# Altium PCB carboard.PcbDoc (part 4 of 4)
Units mil, origin at the board's own origin, x right, y up, seen from the top; angles counter-clockwise.
Board outline 5606.45 x 4133.26 mil, 2 copper layers (Top Layer, Bottom Layer); 227 components, 0 nets, 640 pads, 77 vias.
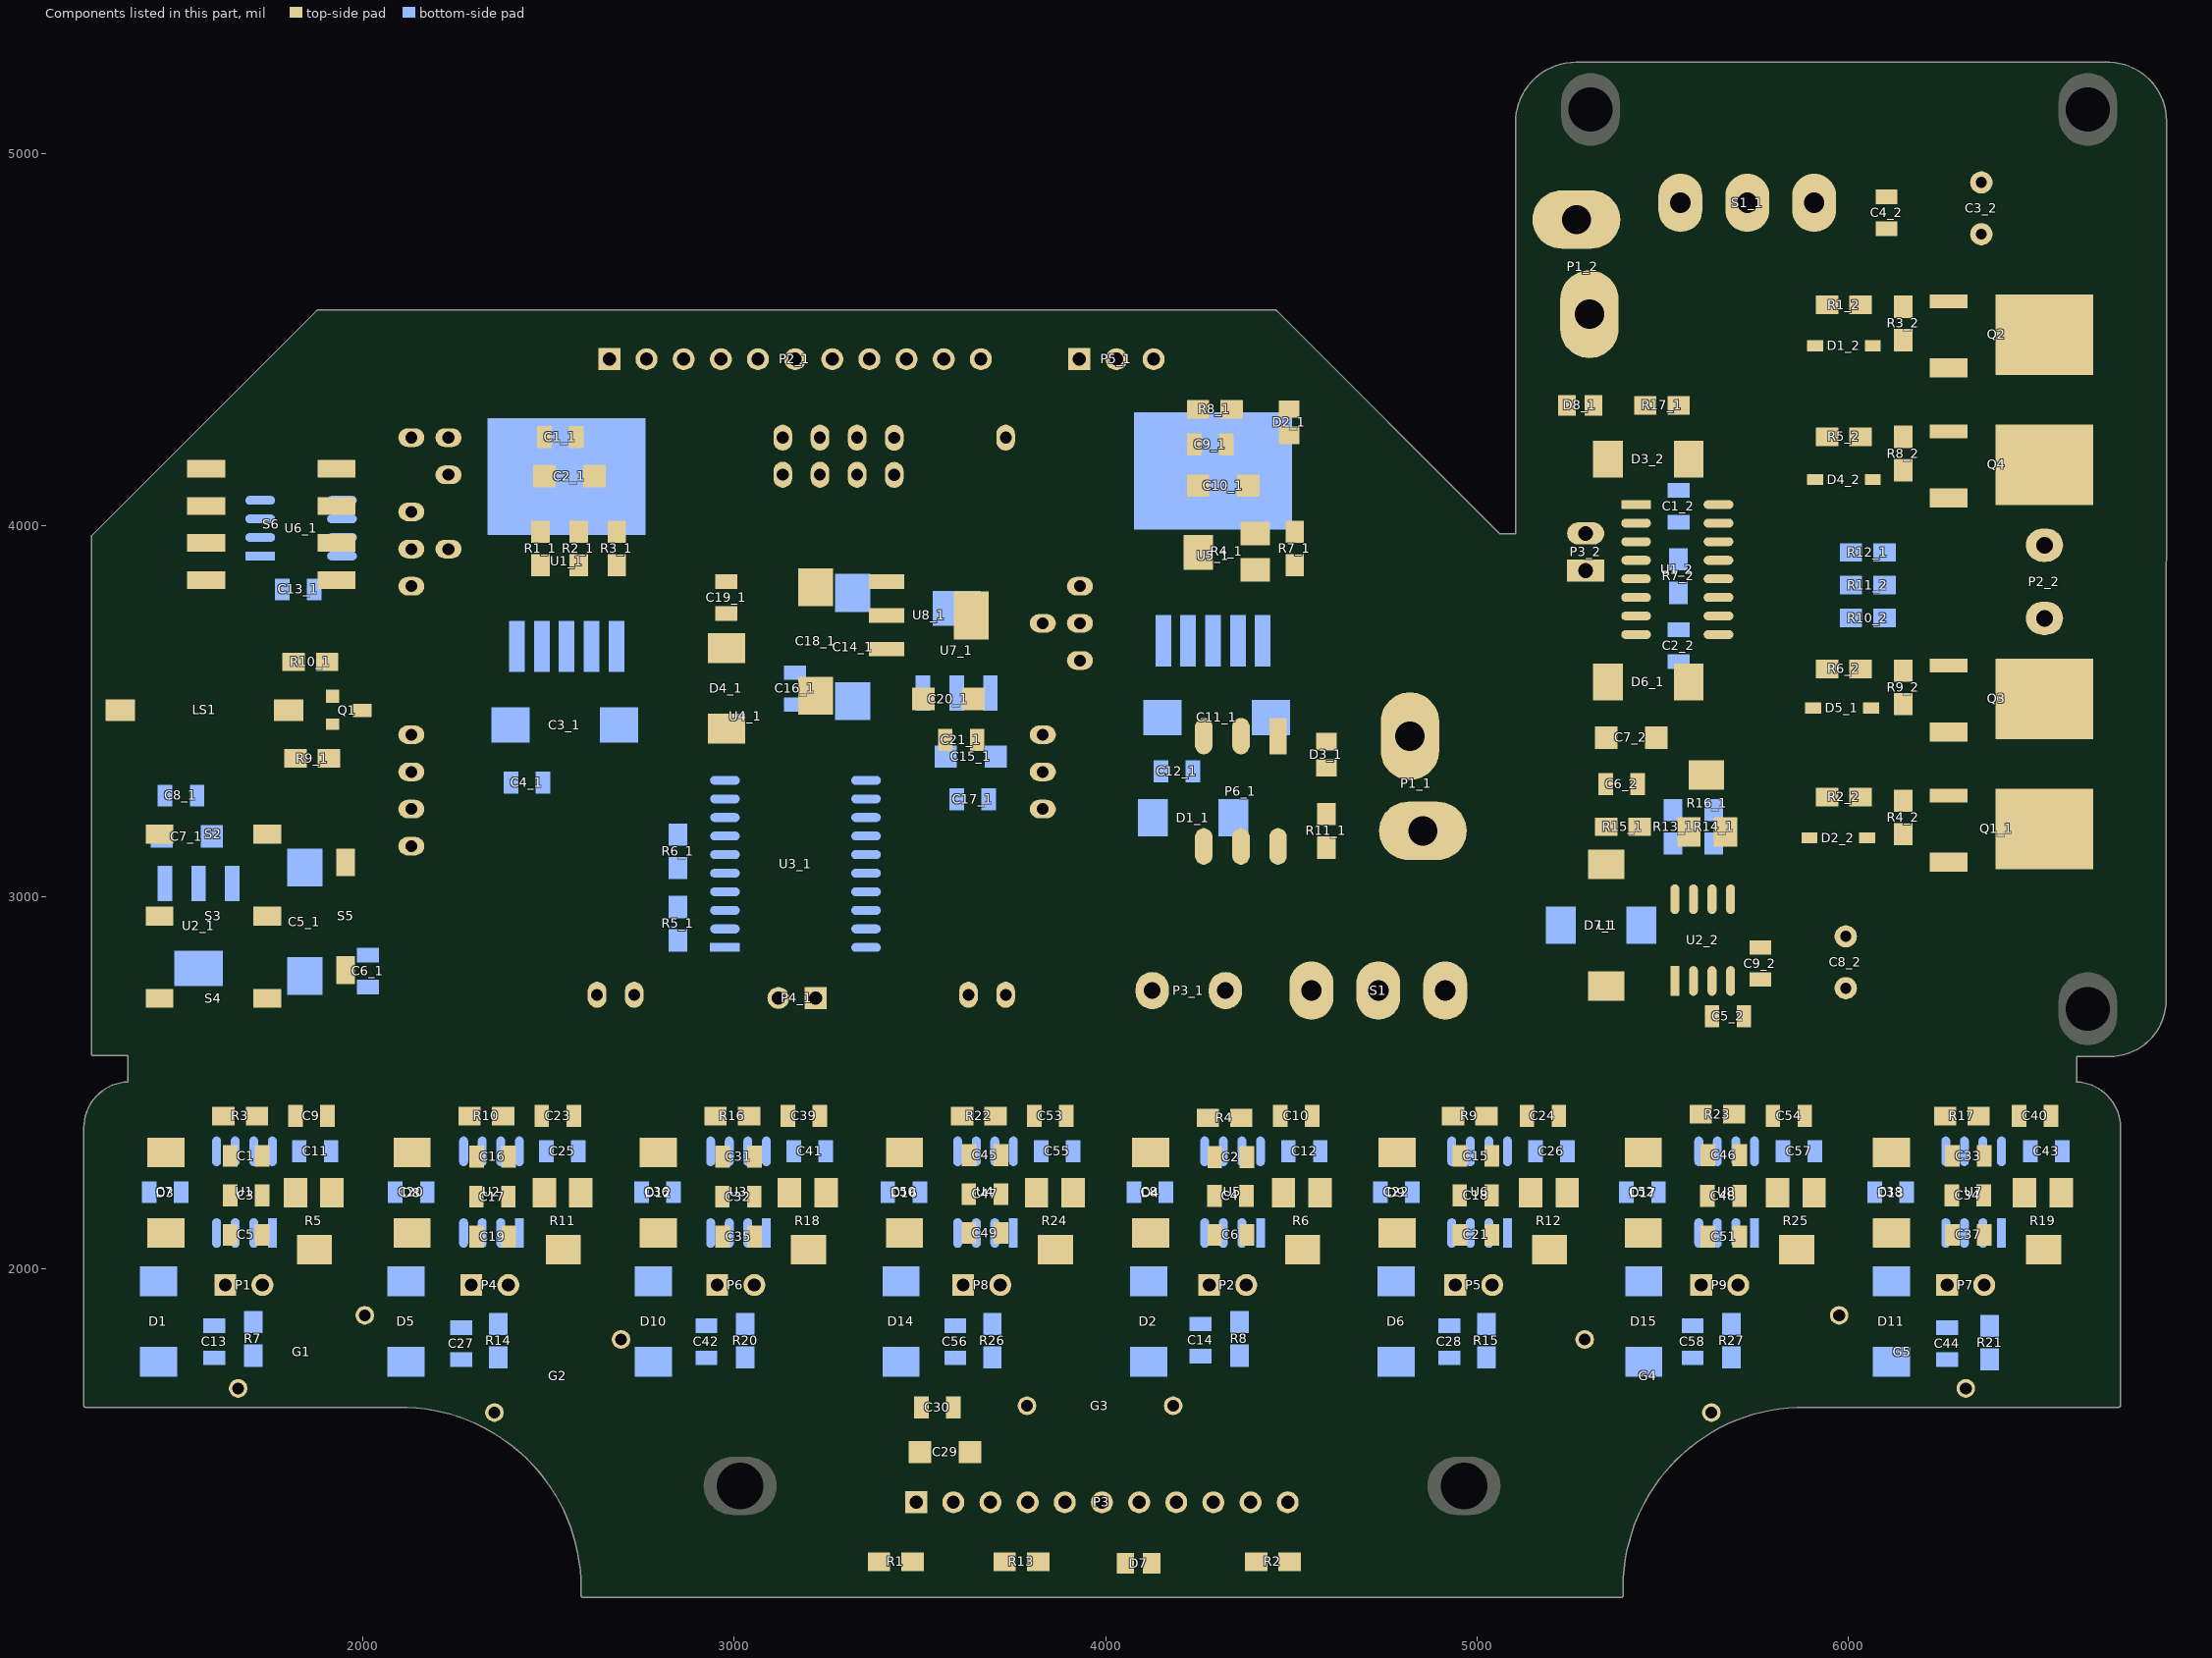
[diagram p4: the components of this part, seen from the top]

## Via types
v1: diameter 30, hole 20, Top Layer to Bottom Layer, 49 vias
v2: diameter 25, hole 18, Top Layer to Bottom Layer, 9 vias
v3: diameter 40, hole 30, Top Layer to Bottom Layer, 6 vias
v4: diameter 20, hole 15, Top Layer to Bottom Layer, 4 vias
v5: diameter 35, hole 20, Top Layer to Bottom Layer, 4 vias
v6: diameter 78.74, hole 39.37, Top Layer to Bottom Layer, 4 vias
v7: diameter 60, hole 30, Top Layer to Bottom Layer, 1 vias

## Nets (pads, with @x,y where several pads share a name; then routed paths per layer and width w, separated by ;. In a path a pad name is that pad's centre, name@x,y a point inside that pad or via, vN(x,y) a via of type N, cw(c..) or ccw(c..) an arc to the next point about the centre after c; other vN are vias at no path point) (continued)
copper on no net: (continued)
  Top Layer w35: 5292.28,3878.7 5319.87,3906.28 5427.81,3906.28 ; 5292.28,3978.7 5314.7,3956.28 5427.81,3956.28 ; 5632.28,2668.7 5632.28,2773.7 ; 5649.71,3756.28 5704.7,3756.28 5742.28,3718.7 5742.28,3468.7 5942.28,3268.7 5942.28,3206.46 5894.53,3158.7 ; v2(5649.71,3806.28) 5734.7,3806.28 5807.28,3733.7 5807.28,3493.7 5932.28,3368.7 6457.28,3368.7 6527.18,3438.6 6527.18,3533.35 ; 5649.71,3906.28 5764.7,3906.28 5942.28,3728.7 5942.28,3613.7 5942.28,3546.46 5904.53,3508.7 ; 5649.71,3956.28 5764.87,3956.28 5909.53,4100.94 5909.53,4123.7 5942.28,4156.46 5942.28,4238.7 ; v2(5649.71,4006.28) 5714.87,4006.28 5807.28,4098.7 5807.28,4243.7 5902.28,4338.7 6437.28,4338.7 6527.18,4248.8 6527.18,4163.68 ; 5649.71,4056.28 5684.87,4056.28 5742.28,4113.7 5742.28,4316.46 5909.53,4483.7 5942.28,4516.46 5942.28,4593.7 ; 6050.04,3158.7 6032.28,3176.46 6032.28,3268.7 6036.36,3272.78 6269.31,3272.78 ; 6060.04,3508.7 6032.28,3536.46 6032.28,3613.7 6041.7,3623.11 6269.31,3623.11 ; 6065.04,4123.7 6032.28,4156.46 6032.28,4238.7 6047.03,4253.45 6269.31,4253.45 ; 6065.04,4483.7 6032.28,4516.46 6032.28,4593.7 6042.36,4603.78 6269.31,4603.78 ; v6@6222.05,4424.25 6269.31,4424.25
  Top Layer w40: 1470,2095 1475,2090 1643.66,2090 1643.66,1968.66 1630,1955 ; v1(1734.02,3372.8) 1819.02,3372.8 ; 1954.02,2802.8 1954.02,2707.8 1889.02,2642.8 1537.02,2642.8 1453.02,2726.8 1453.02,2947.8 1453.02,3168.8 1453.02,3397.42 1347.64,3502.8 1578.82,3733.98 1578.82,3852.8 1578.82,3952.8 1578.82,4052.8 1578.82,4152.8 1948.82,4522.8 2724.02,4522.8 2764.02,4482.8 2764.02,4447.8 2764.02,4342.8 2659.02,4237.8 2575.02,4237.8 2575.02,4181.8 2624.02,4132.8 2684.02,4072.8 2684.02,3982.8 2845.02,3982.8 2979.02,3848.8 ; 2979.46,3848.35 3409.84,3848.35 3478.46,3848.35 3509.02,3817.8 3509.02,3532.8 3568.02,3473.8 3568.02,3422.8 3568.02,3358.8 3690.24,3236.57 3830.79,3236.57 3830.79,3336.57 ; 3490,1370 3490,1220 3480,1210 3728.33,1210 ; v4(3599.02,2982.8) 4354.02,2982.8 4464.02,3092.8 4464.02,3135.94 ; 4339.02,4312.8 4493.58,4312.8 ; 4402.93,3880.29 4415.43,3892.8 4509.02,3892.8 ; v3(4422.87,3806.65) 4422.87,3860.35 ; 4594.02,3222.8 4594.02,3347.36 ; v5(5225.28,2923.7) 5225.28,3141.7 5272.28,3188.7 5347.28,3188.7 5347.28,3573.7 5352.28,3578.7 5417.28,3578.7 5527.28,3688.7 5527.28,3713.7 ; 5312.72,4323.7 5452.28,4323.7 ; 5352.28,4178.7 5352.28,4131.81 v2@5421.34,4062.76 ; 5427.81,3706.28 5224.7,3706.28 5154.7,3776.28 ; 5427.81,3756.28 5484.7,3756.28 5527.28,3713.7 ; v2(5427.81,3806.28) 5154.7,3806.28 5154.7,3776.28 ; 5427.81,4006.28 5494.7,4006.28 5527.28,3973.7 ; 5437.28,3188.7 5556.18,3188.7 ; 5482.28,3428.7 5432.28,3378.7 5432.28,3303.7 5592.6,3303.7 5617.28,3328.39 ; 5542.28,4323.7 5542.28,4205.7 5569.28,4178.7 5527.28,4136.7 5527.28,3973.7 ; 5570.04,3174.84 5570.04,3150.94 5682.28,3038.7 5682.28,2993.7 ; 5582.28,2773.7 5582.28,2703.7 5488.54,2609.96 ; v5(5617.28,3438.7) 5617.28,3328.39 ; v2(5632.28,2993.7) 5632.28,2938.7 5677.28,2893.7 5992.28,2893.7 ; 5649.71,3856.28 5579.87,3856.28 5527.28,3803.7 ; 5668.46,3174.84 5668.46,3277.2 5617.28,3328.39 ; 5692.28,2773.7 5777.28,2773.7 ; 5718.28,2668.7 5718.28,2714.7 5777.28,2773.7 ; 5992.28,2754.33 5972.91,2773.7 5777.28,2773.7 ; 5992.91,2753.7 5849.17,2609.96 5488.54,2609.96 ; 6357.28,4784.33 6096.65,4784.33 6011.02,4698.7 5552.28,4698.7 5422.28,4568.7 5302.28,4568.7 5241.85,4508.27 5241.85,4323.7 5152.28,4234.13 5152.28,3778.7 5154.7,3776.28 ; 5154.7,3776.28 5154.7,2731.28 5275.34,2610.65 5276.85,2610.65 5277.53,2609.96 5488.54,2609.96 ; 5527.28,3713.7 5527.28,3803.7 ; 5527.28,3803.7 5527.28,3973.7
  Top Layer w45: 5569.28,3578.7 v2(5627.28,3636.7) 5652.28,3661.7 5652.28,3693.7
  Top Layer w50: v3(2415.16,3796.65) 2415.16,4058.94 2489.02,4132.8 2489.02,4237.8 2489.02,4332.8 2604.02,4447.8 2664.02,4447.8 ; 2415.16,3892.8 2479.02,3892.8 ; 2479.02,3982.8 2581.52,3982.8 ; 2581.52,3892.8 2684.02,3892.8 v3(2684.02,3797.8) ; 5347.28,2760.08 5360.91,2773.7 v5(5457.28,2773.7) 5522.28,2773.7 ; 5992.28,2893.7 6332.28,2893.7 6527.18,3088.6 6527.18,3183.02 ; v6@6197.3,3118.72 6202.28,3113.74 v6@6202.28,3113.66 ; v6(6202.28,3108.68) v6@6202.28,3113.66 ; v6(6202.28,4093.7) 6222.07,4073.92 6269.31,4073.92 ; v6(6202.41,3463.7) 6222.53,3443.59 6269.31,3443.59 ; v6(6202.6,4443.7) v6@6222.05,4424.25 ; 6269.31,3093.25 6222.77,3093.25 6202.32,3113.7 v6@6202.28,3113.66
  Top Layer w60: 2979.02,3762.8 2979.02,3669.8 3090.95,3669.8 3219.02,3541.73 3344.53,3667.24 3409.84,3667.24 ; 3490,1370 3504,1384 3504,1625 3504,1684 3590,1770 3825,1770 4005,1950 v3(4005,2000) ; 3654.02,3741.97 3654.02,3422.8 3667.8,3436.57 3830.79,3436.57 ; 4029.02,4447.8 4029.02,4407.8 4124.02,4312.8 4239.02,4312.8 4239.02,4107.36 4154.02,4012.36 4154.02,3922.8 ; v3(4154.02,3807.8) 4154.02,3922.8 ; 4402.93,3978.72 4300.57,3978.72 4249.39,3927.54 4158.76,3927.54 4154.02,3922.8 ; 4467.17,3132.8 4594.02,3132.8 ; 4474.02,3432.8 4579.45,3432.8 4594.02,3418.23 4804.45,3418.23 ; 4489.23,4237.58 4469.45,4217.8 4339.02,4217.8 4332.02,4210.8 4384.02,4158.8 4384.02,4107.36 4449.45,4107.36 4509.02,4047.8 4509.02,3982.8 4624.02,3982.8 4819.02,3787.8 4819.02,3432.8
  Top Layer w80: v7(2409.02,2892.8) 3234.02,2892.8 ; v3(3089.02,3452.8) 2979.02,3452.8 2979.02,3147.8 3234.02,2892.8 ; 4322.44,2747.8 4177.44,2892.8 3234.02,2892.8
  Top Layer w100: 6162.3,3153.72 v6@6197.3,3118.72 ; 6162.28,4133.7 v6(6202.28,4093.7) ; 6162.35,3503.77 v6(6202.41,3463.7) ; 6162.44,4483.86 v6(6202.6,4443.7)
  Top Layer w137.8: 5907.28,4868.7 5962.28,4923.7 6357.28,4923.7 6427.28,4923.7 6527.18,4823.8 6527.18,4514.02 6616.97,4514.02 6762.28,4368.7 6762.28,3308.7 6636.6,3183.02 6527.18,3183.02
  Top Layer w150: 4734.02,2747.8 4734.02,3057.8 4854.02,3177.8
  Top Layer w157.48: 6527.18,3533.35 6527.18,3750.17 6527.28,3750.28 ; 6527.18,4163.68 6527.18,3947.23 6527.28,3947.13
  Top Layer w196.85: 5267.28,4823.7 5307.28,4863.7 ; 5312.28,4868.7 5547.28,4868.7 5702.28,4868.7
  Bottom Layer w20: 1944.02,4017.8 1994.02,4017.8 2075.24,3936.57 2130.79,3936.57 ; 1944.02,4067.8 2009.02,4067.8 2089.74,3987.07 2180.29,3987.07 2230.79,3936.57 ; 2864.02,4447.8 2864.02,4437.8 3024.02,4277.8 3089.57,4277.8 3130.79,4236.57 ; 2964.02,4447.8 3074.02,4337.8 3119.02,4337.8 3181.29,4275.52 3181.29,4187.07 3130.79,4136.57 ; 3064.02,4447.8 3230.79,4281.02 3230.79,4236.57 ; 3164.02,4447.8 3164.02,4417.8 3281.29,4300.52 3281.29,4187.07 3230.79,4136.57 ; 3264.02,4447.8 3264.02,4437.8 3330.79,4371.02 3330.79,4236.57 ; 3330.79,4136.57 3380.29,4186.07 3380.29,4431.52 3364.02,4447.8 ; 3430.79,4136.18 3564.02,4269.41 3564.02,4447.8 ; 3430.79,4236.18 3430.79,4254.57 3464.02,4287.8 3464.02,4447.8 ; 3664.02,4447.8 3664.02,4303.35 3730.79,4236.57
  Bottom Layer w30: v1(1425,2205) 1425,1990 1450,1965 ; 1450,1748 1467,1765 1705,1765 1895,1765 1990,1670 2465,1670 2605,1530 3530,1530 3690,1370 ; 1511,2205 1511,2251 v1(1560,2300) 1575,2315 1606.65,2315 ; v1(1643.06,2196.31) 1656.65,2182.73 1656.65,2095 ; 1706.65,2315 1706.65,2366.65 1750,2410 v1(1819,2410) ; 1756.65,2095 1782.64,2095 v1(1818.82,2131.18) ; 1756.65,2315 1829,2315 ; 1915,2315 1917.76,2312.24 1917.24,2311.73 v1(1917.24,2272.76) ; v1(2087.86,2205) 2087.86,1993.57 2116.43,1965 ; 2116.43,1748 2128.43,1760 2365,1760 2545,1760 2720,1585 3575,1585 3790,1370 ; 2173.86,2205 2173.86,2243.86 v1(2220,2290) 2245,2315 2271.65,2315 ; 2271.65,2095 2271.65,1975.49 2292.14,1955 ; v1(2305.92,2192.98) 2321.65,2177.25 2321.65,2095 ; 2365,1850 2275,1850 2275,1937.86 2292.14,1955 ; 2371.65,2095 2371.65,2034.51 2292.14,1955 ; 2371.65,2315 2371.65,2381.65 2400,2410 v1(2481.86,2410) ; 2421.65,2095 2435,2095 v1(2470,2130) ; 2421.65,2315 2494.71,2315 ; v1(2580,2275) 2580,2314.29 2580.71,2315 ; 2630.79,2736.57 2630.79,2959.57 2749.02,3077.8 2849.02,3077.8 2854.02,3077.8 2918.02,3013.8 2975.02,3013.8 ; 2730.79,2736.57 2730.79,2919.57 2784.02,2972.8 2849.02,2972.8 2864.02,2972.8 2923.02,2913.8 2975.02,2913.8 ; v1(2750.71,2205) 2750.71,1997.14 2782.86,1965 ; 2782.86,1748 2794.86,1760 3030,1760 3145,1645 3615,1645 3890,1370 ; 2836.71,2205 2836.71,2251.71 v1(2885,2300) 2900,2315 2936.65,2315 ; 2936.65,2095 2936.65,1972.64 2954.29,1955 ; v1(2968.06,2192.98) 2986.65,2174.39 2986.65,2095 ; 3030,1850 2930,1850 2954.29,1874.29 2954.29,1955 ; 3036.65,2095 3036.65,2037.36 2954.29,1955 ; 3036.65,2315 3036.65,2376.65 3070,2410 v1(3144.71,2410) ; 3069.02,3113.8 3355.02,3113.8 3418.02,3113.8 3449.02,3082.8 3449.02,3037.8 ; 3086.65,2095 3095,2095 v1(3130,2130) ; 3086.65,2315 3160.43,2315 ; 3246.43,2315 3250,2311.43 v1(3250,2275) ; v4(3310,1280) 4400,1280 4490,1370 ; 3355.02,2913.8 3420.02,2913.8 3449.02,2942.8 3449.02,3037.8 ; 3355.02,3013.8 3425.02,3013.8 3449.02,3037.8 ; v1(3413.57,2205) 3413.57,2000.71 3449.29,1965 ; 3449.29,1748 3592,1748 ; 3499.57,2205 3499.57,2249.57 v1(3555,2305) 3565,2315 3601.65,2315 ; 3595,1759 3694,1759 3695,1760 3705,1750 3705,1635 3865,1475 3885,1475 3990,1370 ; 3601.65,2095 3601.65,1969.78 3616.43,1955 ; v1(3631.63,2199.65) 3651.65,2179.63 3651.65,2095 ; 3695,1850 3600,1850 3616.43,1866.43 3616.43,1955 ; 3701.65,2095 3701.65,2040.22 3616.43,1955 ; 3701.65,2315 3701.65,2381.65 3730,2410 v1(3807.57,2410) ; 3751.65,2095 3765,2095 v1(3795,2125) ; 3751.65,2315 3826.14,2315 ; v4(3783.43,1873.43) 3783.43,1634.72 3788.15,1630 ; v1(3911.12,2273.88) 3911.12,2311.74 3910,2312.86 3912.14,2315 ; 3929.02,3838.35 3929.02,4447.8 ; v1(4076.43,2205) 4076.43,2004.29 4115.71,1965 ; 4090,1370 4090,1380 4360,1650 4360,1765 4132.71,1765 4115.71,1748 4090,1722.29 ; 4162.43,2205 4162.43,2262.43 v1(4200,2300) 4215,2315 4266.65,2315 ; 4190,1370 4568,1748 4782.14,1748 4794.14,1760 5025,1760 ; 4266.65,2095 4266.65,1966.92 4278.57,1955 ; 4290,1370 4510,1590 5290.57,1590 5448.57,1748 5460.57,1760 5685,1760 ; v1(4293.06,2194.65) 4316.65,2171.06 4316.65,2095 ; 4360,1855 4355,1850 4255,1850 4278.57,1873.57 4278.57,1955 ; 4366.65,2095 4366.65,2043.08 4278.57,1955 ; 4366.65,2315 4366.65,2371.65 4405,2410 v1(4470.43,2410) ; 4390,1370 4538.07,1518.07 5378.07,1518.07 5525,1665 6032,1665 6115,1748 6122,1755 6380,1755 ; 4416.65,2095 4425,2095 v1(4460,2130) ; 4416.65,2315 4491.86,2315 ; 4577.86,2315 4575,2312.14 4580,2307.14 v1(4580,2275) ; v1(4739.29,2205) 4739.29,2007.86 4782.14,1965 ; 4825.29,2205 4825.29,2265.29 v1(4862.62,2302.62) 4875,2315 4931.65,2315 ; 4931.65,2095 4931.65,1964.06 4940.71,1955 ; v1(4953.06,2196.31) 4981.65,2167.73 4981.65,2095 ; 5025,1850 4930,1850 4940.71,1860.71 4940.71,1955 ; 5031.65,2095 5031.65,2045.94 4940.71,1955 ; 5031.65,2315 5031.65,2361.65 5080,2410 v1(5134,2410) ; 5081.65,2095 5085,2095 v1(5125,2135) ; 5081.65,2315 5157.57,2315 ; 5243.57,2315 5240,2311.43 5245,2306.43 v1(5245,2275) ; v1(5402.14,2205) 5402.14,2011.43 5448.57,1965 ; 5488.14,2205 5488.14,2258.14 v1(5530,2300) 5545,2315 5596.65,2315 ; 5596.65,1974.79 5596.65,2095 ; v1(5620.21,2194.65) 5646.65,2168.2 5646.65,2095 ; 5685,1850 5585,1850 5602.86,1867.86 5602.86,1955 5696.65,2048.79 5696.65,2095 ; 5696.65,2315 5696.65,2371.65 5735,2410 v1(5796.14,2410) ; 5746.65,2095 5755,2095 v1(5790,2130) ; 5746.65,2315 5823.29,2315 ; 5909.29,2315 5907.24,2312.96 5910,2310.2 v1(5910,2275) ; v1(6070,2205) 6070,2010 6115,1965 ; 6156,2205 6156,2251 v1(6205,2300) ; 6220,2315 6261.65,2315 ; 6261.65,2095 6261.65,1958.35 6265,1955 ; v1(6278.06,2196.31) 6311.65,2162.73 6311.65,2095 ; 6361.65,2095 6361.65,2051.65 6265,1955 ; 6361.65,2315 6361.65,2376.65 6395,2410 v1(6459,2410) ; 6380,1845 6270,1845 6265,1840 6265,1955 ; 6411.65,2095 6430,2095 v1(6460,2125) ; 6411.65,2315 6489,2315 ; v1(6575,2275) 6575,2315
  Bottom Layer w35: v5(5347.28,3087.32) 5347.28,3143.7 5437.28,3233.7 5527.28,3233.7 5582.28,3233.7 ; 5542.28,3719.7 5563.13,3719.7 v2(5649.71,3806.28) ; 5542.28,4008.7 5544.7,4006.28 v2(5649.71,4006.28) ; v2(5582.28,2993.7) 5582.28,3233.7 ; 5637.28,3233.7 5582.28,3233.7
  Bottom Layer w40: 1468.02,3036.52 1468.02,3272.8 1468.02,3451.8 1783.02,3766.8 1783.02,3827.8 1783.02,3858.8 1724.02,3917.8 1724.02,3967.8 ; 1558.02,3035.97 1558.02,3268.8 1554.02,3272.8 1554.02,3372.8 ; 1606.65,2095 1606.65,1978.35 1630,1955 ; 1656.65,2315 1656.65,2391.65 1725,2460 2320,2460 ; 1705,1855 1695,1845 1630,1845 1630,1955 ; 1706.65,2095 1706.65,2031.65 1630,1955 ; v1(1734.02,3372.8) 1554.02,3372.8 ; 1874.11,2756.8 2014.02,2756.8 2138.02,2632.8 2849.02,2632.8 ; 1944.02,3917.8 1904.02,3917.8 1869.02,3882.8 1869.02,3827.8 1869.02,3687.8 1554.02,3372.8 ; 1944.02,3967.8 1724.02,3967.8 ; 2321.65,2315 2321.65,2458.35 2320,2460 ; 2485.02,3307.8 2534.92,3307.8 2540.92,3313.8 ; 2549.02,3674.69 2549.02,4131.69 ; 2615.94,3674.69 2615.94,3536.77 2689.92,3462.8 2540.92,3313.8 ; 2764.02,4447.8 2764.02,4346.69 2549.02,4131.69 ; 2849.02,3167.8 2895.02,3213.8 2975.02,3213.8 3035.02,3213.8 ; 2975.02,3113.8 3025.02,3113.8 ; 2986.65,2315 2986.65,2458.35 ; 3119.02,2727.8 3119.02,2917.8 3265.02,3063.8 3355.02,3063.8 ; 3219.02,2727.8 3219.02,2882.8 3300.02,2963.8 3355.02,2963.8 ; 3355.02,2863.8 3480.02,2863.8 v4(3599.02,2982.8) 3599.02,3262.8 ; 3355.02,3213.8 3069.02,3213.8 ; 3355.02,3313.8 3028.02,3313.8 ; 3651.65,2315 3651.65,2458.35 ; 3830.79,3236.57 3711.24,3236.57 3685.02,3262.8 3689.57,3267.35 3689.57,3548.62 3689.57,3637.24 3654.02,3672.8 3464.92,3672.8 3319.02,3818.7 3164.02,3663.7 3164.02,3603.8 3110.02,3603.8 2975.02,3468.8 2975.02,3313.8 ; 4125.59,2747.8 4010.59,2632.8 2849.02,2632.8 ; 4316.65,2315 4316.65,2458.35 ; 4422.87,3689.69 v3(4422.87,3806.65) ; 4981.65,2315 4981.65,2458.35 ; v2@5433.76,4062.23 5466.23,4094.7 5542.28,4094.7 ; 5527.28,3143.7 5532.28,3138.7 v2(5532.28,2993.7) ; v5(5617.28,3438.7) 5427.81,3628.17 v2(5427.81,3806.28) 5529.87,3806.28 5542.28,3818.7 5577.28,3818.7 5686.02,3927.44 6006.61,3927.44 ; v2(5632.28,2993.7) 5632.28,3138.7 ; 5646.65,2315 5646.65,2458.35 5645,2460 ; 6311.65,2315 6311.65,2428.35 6280,2460 5645,2460 ; 1724.02,3967.8 1724.02,4017.8 1724.02,4067.8 1724.02,4137.8 1984.02,4397.8 2282.91,4397.8 2549.02,4131.69 ; 2320,2460 5645,2460 ; 2540.92,3313.8 2975.02,3313.8 ; 2849.02,2632.8 2849.02,2882.8 2868.02,2863.8 2975.02,2863.8 3030.02,2863.8 3069.02,2902.8 3069.02,3113.8 3025.02,3113.8 ; 2975.02,3313.8 3028.02,3313.8 ; 3025.02,3113.8 3069.02,3157.8 3069.02,3213.8 ; 3028.02,3313.8 3069.02,3272.8 3069.02,3247.8 3035.02,3213.8 ; 3035.02,3213.8 3069.02,3213.8
  Bottom Layer w45: v2@5433.76,3862.23 5480.23,3908.7 5542.28,3908.7 ; 5542.28,3633.7 5624.28,3633.7 v2(5627.28,3636.7)
  Bottom Layer w50: 2415.16,3674.69 v3(2415.16,3796.65) ; 2549.02,3674.69 2615.94,3674.69 ; 2682.87,3674.69 2682.87,3796.65 v3(2684.02,3797.8) ; 4127.02,3212.8 4152.95,3238.73 4152.95,3482.8 4222.09,3551.93 4222.09,3689.69 ; 5442.28,2923.7 5457.28,2908.7 v5(5457.28,2773.7)
  Bottom Layer w60: 2482.09,3544.8 2482.09,3674.69 ; 3599.02,3262.8 3599.02,3548.62 ; v3(4005,2000) 4005,2452.01 ; 4125.59,2747.8 4235.02,2857.22 4235.02,3337.8 4299.92,3337.8 4444.92,3482.8 ; 4129.02,4447.8 4289.02,4287.8 4289.02,4146.69 4289.02,3689.69 4355.94,3689.69 4355.94,3571.77 4444.92,3482.8 ; v3(4154.02,3807.8) 4155.16,3806.65 4155.16,3689.69 ; 4819.02,3432.8 4769.02,3482.8 4444.92,3482.8 ; 6006.61,3750.91 v4(6006.61,3839.17) 6006.61,3927.44
  Bottom Layer w80: 1648.57,3035.97 1801.13,3035.97 1844.02,3078.86 1844.02,3012.8 2014.02,2842.8 2064.02,2892.8 v7(2409.02,2892.8) 2399.02,2902.8 2399.02,3307.8 2399.02,3461.73 2482.09,3544.8 ; v3(3089.02,3452.8) 3154.02,3517.8 3164.02,3517.8 3477.64,3517.8 3495.83,3535.98 ; 4322.44,2747.8 4344.02,2769.37 4344.02,3212.8
  Bottom Layer w100: v6(6202.28,4093.7) 6112.28,4003.7 6112.28,3553.83 v6(6202.41,3463.7)
  Bottom Layer w157.48: 4322.44,2747.8 4554.02,2747.8 ; v6(6202.28,3108.68) 6527.28,3433.68 ; v6(6202.6,4443.7) 6527.28,4119.02 6527.28,3947.13 ; 6527.28,3448.66 6527.28,3750.28
  other v2: 5427.81,3856.28 5427.81,4056.28

## Polygon pours and split planes (outlines as drawn)
no net on Bottom Layer "Bottom Layer-No Net" (solid, remove dead copper, pour order 18): 5092.28,2553.7 6042.28,2553.7 6042.28,5253.7 5092.28,5253.7
no net on Bottom Layer "Bottom Layer-No Net" (solid, remove dead copper, pour order 16): 6042.28,2543.7 6042.28,5253.7 6902.28,5253.7 6902.28,2553.7
no net on Bottom Layer "Bottom Layer-No Net" (solid, remove dead copper, pour order 6): 1259.02,4597.8 1259.02,2547.8 5109.02,2547.8 5109.02,4597.8
no net on Bottom Layer "Bottom Layer-No Net" (solid, remove dead copper, pour order 2): 1205,2410 1205,1110 6755,1110 6755,2410
no net on Bottom Layer "Bottom Layer-No Net" (solid, remove dead copper, pour order 0): 1205,2510 1205,2410 6755,2410 6755,2510
no net on Top Layer "Bottom Layer-No Net" (solid, remove dead copper, pour order 14): 5812.28,5253.7 6892.28,5253.7 6892.28,2553.7 5812.28,2553.7
no net on Top Layer "Bottom Layer-No Net" (solid, remove dead copper, pour order 12): 6042.28,4631.8 6042.28,4844.12 6481.86,4844.12 6482.28,4843.7 6482.28,4713.7 6422.28,4713.7 6352.28,4643.7
no net on Top Layer "Bottom Layer-No Net" (solid, remove dead copper, pour order 10): 5092.28,2553.7 6042.28,2553.7 6042.28,5253.7 5092.28,5253.7
no net on Top Layer "Bottom Layer-No Net" (solid, remove dead copper, pour order 8): 1259.02,4597.8 1259.02,2547.8 5109.02,2547.8 5109.02,4597.8
no net on Top Layer "Bottom Layer-No Net" (solid, remove dead copper, pour order 4): 1205,2510 1205,1110 6755,1110 6755,2510

## Keep-outs
Keep-Out Layer:
  lines w10: 1372.32,2577.68 1372.32,2497.01 ccw(c1372.32,2378.9) 1254.21,2378.9 1254.21,1630.87 2120.35,1630.87 cw(c2100.67,1138.74) 2592.8,1119.06 5388.07,1119.06 cw(c5880.2,1138.74) 5860.51,1630.87 6726.65,1630.87 6726.65,2378.9 ccw(c6608.54,2378.9) 6608.54,2497.01 6608.54,2573.54 ; 1372.32,2577.8 1274.37,2577.8 1274.37,3969.68 1879.41,4574.72 4457.09,4574.72 5059.02,3972.8 5107.2,3972.8 ; 5108.43,3972.8 5108.43,5084.8 cw(c5265.91,5084.8) 5265.91,5242.28 6702.91,5242.28 cw(c6697.99,5089.72) 6850.55,5084.8 6849.9,2722.6 cw(c6702.59,2722.27) 6702.91,2574.96 6608.54,2574.96

## Other copper
Top Layer:
  text "队名:大Q巴" at 5632.28,5163.7 h50
  text "队员:覃昌祖.刘文财.刘文航" at 5632.28,5113.7 h50
  text "2017/6/6" at 5632.28,5063.7 h50
  text "队名:大Q巴" at 1979.02,4402.8 h50
  text "2017/6/6" at 1984.02,4327.8 h50
  text "队员:覃昌祖.刘文财.刘文航" at 1344.02,2677.8 h50 r90
  text "队名:大Q巴" at 4590,1210 h50
  text "2017/6/6" at 4895,1205 h50
  text "队员:覃昌祖.刘文财.刘文航" at 4590,1150 h50
Bottom Layer:
  pour cut-out: 2455.28,3020.08 2455.28,3208.81 2454.34,3208.81 cw(c2514.98,3186.89) 2574.02,3212.8 2573.39,3212.8 2573.39,3016.14 cw(c2515.05,3039.67)

## Silkscreen, mask and mechanical layers (free items; w line width, h text height)
Top Overlay:
  lines w10: 1336.91,3932.8 cw(c1395.96,3908.19) 1455.02,3932.8 ; 1337.17,3932.8 1337.17,3689.37 ccw(c1396.22,3713.98) 1455.28,3689.37 1455.28,3932.8 ; 2454.34,3208.81 cw(c2514.98,3186.89) 2574.02,3212.8 ; 2455.28,3208.81 2455.28,3020.08 ccw(c2515.05,3039.67) 2573.39,3016.14 2573.39,3212.8 ; 4880.47,3689.37 ccw(c4939.53,3713.98) 4998.58,3689.37 4998.58,3932.8 ccw(c4939.53,3908.19) 4880.47,3932.8 4880.47,3689.37

## Text inside footprints (layer, text, board x,y; h text height)
C3_2: Top Overlay "+" at 6376.97,5031.97 h35 r90
C8_2: Top Overlay "+" at 6011.97,3001.97 h35 r90
LS1: Top Overlay "+" at 1741.34,3542.17 h40 r180
S6: Top Overlay "ON" at 1898.82,4272.8 h40 r270; Top Overlay "1" at 1555.91,4196.73 h40 r270; Top Overlay "2" at 1555.91,4105.2 h40 r270; Top Overlay "3" at 1555.91,4006.77 h40 r270; Top Overlay "4" at 1555.91,3903.43 h40 r270